# KiCad board Panel_R0.5.1_300x300_2layer_step1.kicad_pcb (continued)
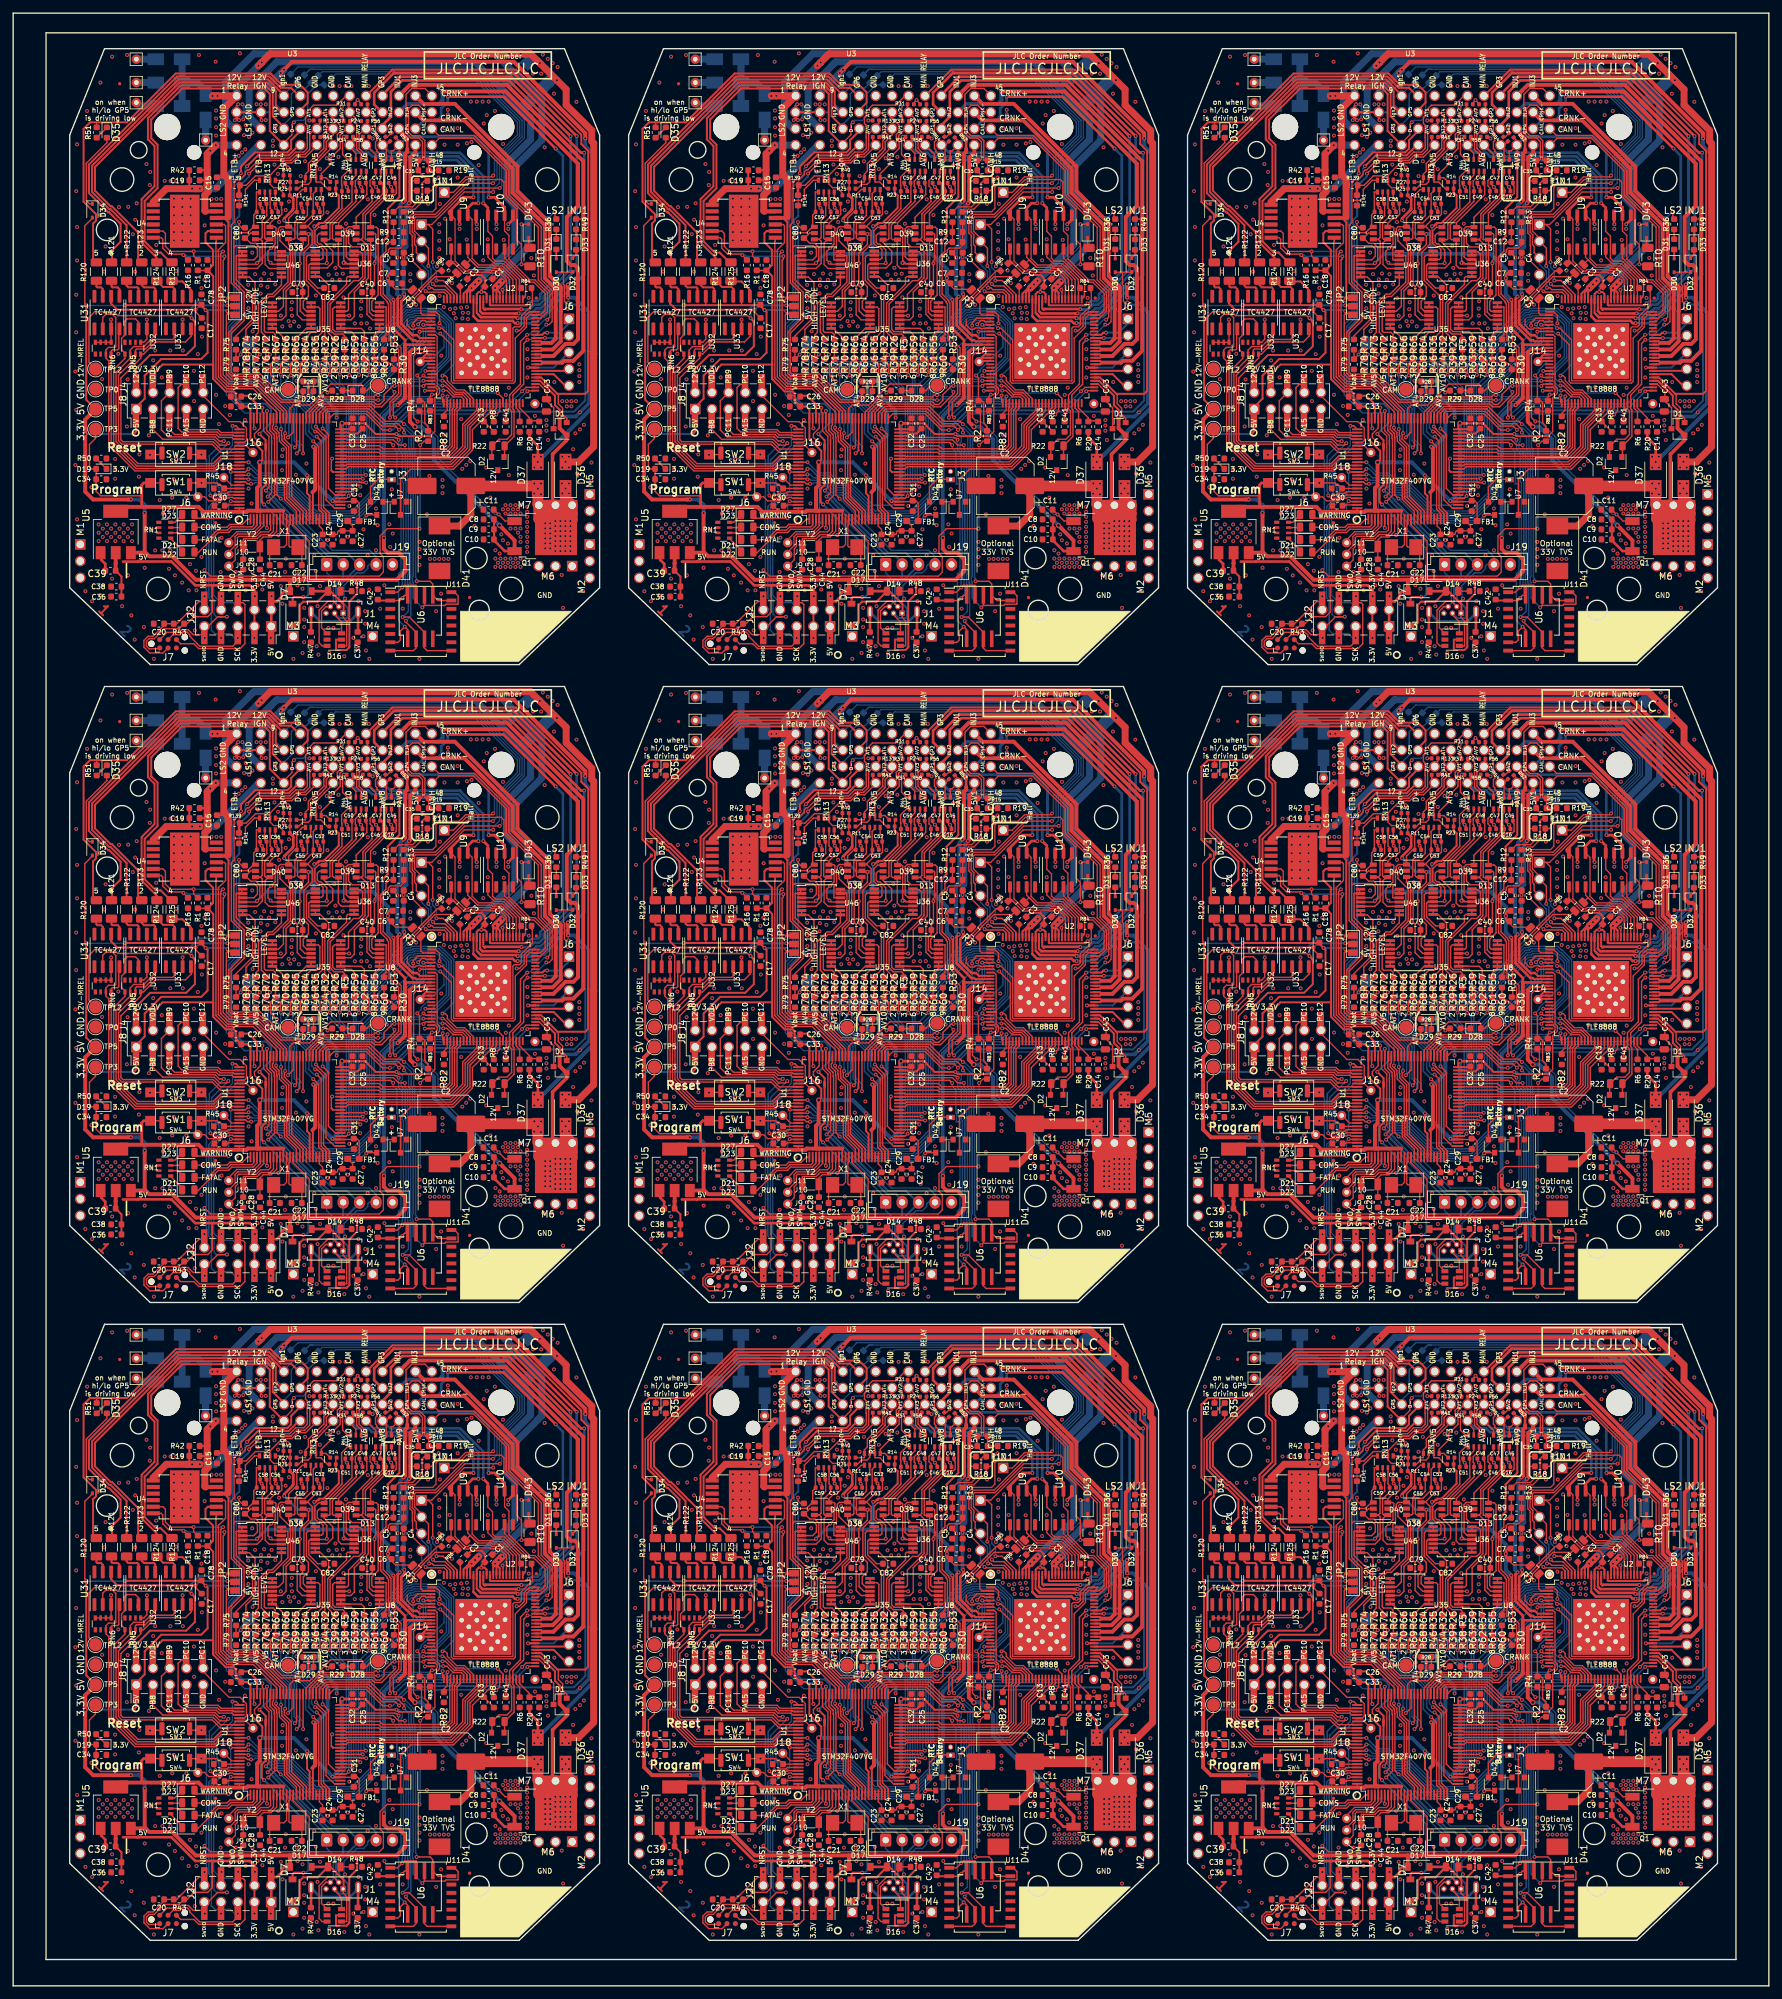
[diagram p0: board, top side]
## Routing (per net, layer and track width the routed paths; a pad name or vN(x,y) marks a point on that pad's centre or on a via; arc(x,y) is an arc through that point) (continued)
/PD14: length 599.9
  Top w0.203: v1(150.27,244.11) 150.48,244.11 152.24,242.35 153.49,242.35 154.5,241.34 U2#2.34 ; U2#3.34 239.5,241.34 238.49,242.35 237.24,242.35 235.48,244.11 v1(235.27,244.11) ; v1(235.27,147.11) 235.48,147.11 237.24,145.35 238.49,145.35 239.5,144.34 U2#5.34 ; v1(65.27,147.11) 65.48,147.11 67.24,145.35 68.49,145.35 69.5,144.34 U2#4.34 ; U2#6.34 154.5,144.34 153.49,145.35 152.24,145.35 150.48,147.11 v1(150.27,147.11) ; v1(65.27,50.11) 65.48,50.11 67.24,48.35 68.49,48.35 69.5,47.34 U2#7.34 ; v1(150.27,50.11) 150.48,50.11 152.24,48.35 153.49,48.35 154.5,47.34 U2#9.34 ; U2#8.34 239.5,47.34 238.49,48.35 237.24,48.35 235.48,50.11 v1(235.27,50.11) ; v1(65.27,244.11) 65.48,244.11 67.24,242.35 68.49,242.35 69.5,241.34 U2.34
  Top w0.216: v1(127.84,233.94) 128.09,234.18 U1#2.61 ; v1(212.84,233.94) 213.09,234.18 U1#3.61 ; U1#5.61 213.09,137.18 v1(212.84,136.94) ; v1(42.84,136.94) 43.09,137.18 U1#4.61 ; v1(127.84,136.94) 128.09,137.18 U1#6.61 ; v1(42.84,39.94) 43.09,40.18 U1#7.61 ; v1(127.84,39.94) 128.09,40.18 U1#9.61 ; U1#8.61 213.09,40.18 v1(212.84,39.94) ; v1(42.84,233.94) 43.09,234.18 U1.61
  Bottom w0.216: v1(150.27,244.11) 149.84,244.11 149.5,244.45 149.5,245.33 151.62,247.45 151.62,252.93 150.41,254.14 150.31,254.14 149.72,254.73 145.79,254.73 145.57,254.51 144.99,254.51 143.72,253.24 143.72,252.87 137.87,247.01 125.37,247.01 123.79,245.43 123.79,243.3 127.36,239.73 127.36,234.43 v1(127.84,233.94) ; v1(212.84,233.94) 212.36,234.43 212.36,239.73 208.79,243.3 208.79,245.43 210.37,247.01 222.87,247.01 228.72,252.87 228.72,253.24 229.99,254.51 230.57,254.51 230.79,254.73 234.72,254.73 235.31,254.14 235.41,254.14 236.62,252.93 236.62,247.45 234.5,245.33 234.5,244.45 234.84,244.11 v1(235.27,244.11) ; v1(235.27,147.11) 234.84,147.11 234.5,147.45 234.5,148.33 236.62,150.45 236.62,155.93 235.41,157.14 235.31,157.14 234.72,157.73 230.79,157.73 230.57,157.51 229.99,157.51 228.72,156.24 228.72,155.87 222.87,150.01 210.37,150.01 208.79,148.43 208.79,146.3 212.36,142.73 212.36,137.43 v1(212.84,136.94) ; v1(65.27,147.11) 64.84,147.11 64.5,147.45 64.5,148.33 66.62,150.45 66.62,155.93 65.41,157.14 65.31,157.14 64.72,157.73 60.79,157.73 60.57,157.51 59.99,157.51 58.72,156.24 58.72,155.87 52.87,150.01 40.37,150.01 38.79,148.43 38.79,146.3 42.36,142.73 42.36,137.43 v1(42.84,136.94) ; v1(127.84,136.94) 127.36,137.43 127.36,142.73 123.79,146.3 123.79,148.43 125.37,150.01 137.87,150.01 143.72,155.87 143.72,156.24 144.99,157.51 145.57,157.51 145.79,157.73 149.72,157.73 150.31,157.14 150.41,157.14 151.62,155.93 151.62,150.45 149.5,148.33 149.5,147.45 149.84,147.11 v1(150.27,147.11) ; v1(42.84,39.94) 42.36,40.43 42.36,45.73 38.79,49.3 38.79,51.43 40.37,53.01 52.87,53.01 58.72,58.87 58.72,59.24 59.99,60.51 60.57,60.51 60.79,60.73 64.72,60.73 65.31,60.14 65.41,60.14 66.62,58.93 66.62,53.45 64.5,51.33 64.5,50.45 64.84,50.11 v1(65.27,50.11) ; v1(127.84,39.94) 127.36,40.43 127.36,45.73 123.79,49.3 123.79,51.43 125.37,53.01 137.87,53.01 143.72,58.87 143.72,59.24 144.99,60.51 145.57,60.51 145.79,60.73 149.72,60.73 150.31,60.14 150.41,60.14 151.62,58.93 151.62,53.45 149.5,51.33 149.5,50.45 149.84,50.11 v1(150.27,50.11) ; v1(212.84,39.94) 212.36,40.43 212.36,45.73 208.79,49.3 208.79,51.43 210.37,53.01 222.87,53.01 228.72,58.87 228.72,59.24 229.99,60.51 230.57,60.51 230.79,60.73 234.72,60.73 235.31,60.14 235.41,60.14 236.62,58.93 236.62,53.45 234.5,51.33 234.5,50.45 234.84,50.11 v1(235.27,50.11) ; v1(42.84,233.94) 42.36,234.43 42.36,239.73 38.79,243.3 38.79,245.43 40.37,247.01 52.87,247.01 58.72,252.87 58.72,253.24 59.99,254.51 60.57,254.51 60.79,254.73 64.72,254.73 65.31,254.14 65.41,254.14 66.62,252.93 66.62,247.45 64.5,245.33 64.5,244.45 64.84,244.11 v1(65.27,244.11)
/PD15: length 579.9
  Top w0.203: v1(150.29,244.86) 150.72,244.86 151.02,244.56 151.02,244.11 152.43,242.7 153.63,242.7 155,241.34 U2#2.35 ; U2#3.35 240,241.34 238.63,242.7 237.43,242.7 236.02,244.11 236.02,244.56 235.72,244.86 v1(235.29,244.86) ; U2#5.35 240,144.34 238.63,145.71 237.43,145.71 236.02,147.11 236.02,147.56 235.72,147.86 v1(235.29,147.86) ; v1(65.29,147.86) 65.72,147.86 66.02,147.56 66.02,147.11 67.43,145.71 68.63,145.71 70,144.34 U2#4.35 ; U2#6.35 155,144.34 153.63,145.71 152.43,145.71 151.02,147.11 151.02,147.56 150.72,147.86 v1(150.29,147.86) ; U2#7.35 70,47.34 68.63,48.7 67.43,48.7 66.02,50.11 66.02,50.56 65.72,50.86 v1(65.29,50.86) ; U2#9.35 155,47.34 153.63,48.7 152.43,48.7 151.02,50.11 151.02,50.56 150.72,50.86 v1(150.29,50.86) ; U2#8.35 240,47.34 238.63,48.7 237.43,48.7 236.02,50.11 236.02,50.56 235.72,50.86 v1(235.29,50.86) ; v1(65.29,244.86) 65.72,244.86 66.02,244.56 66.02,244.11 67.43,242.7 68.63,242.7 70,241.34 U2.35
  Top w0.216: U1#2.62 127.59,236.28 v1(126.8,235.49) ; U1#3.62 212.59,236.28 v1(211.8,235.49) ; U1#5.62 212.59,139.28 v1(211.8,138.49) ; U1#4.62 42.59,139.28 v1(41.8,138.49) ; U1#6.62 127.59,139.28 v1(126.8,138.49) ; U1#7.62 42.59,42.28 v1(41.8,41.49) ; U1#9.62 127.59,42.28 v1(126.8,41.49) ; U1#8.62 212.59,42.28 v1(211.8,41.49) ; U1.62 42.59,236.28 v1(41.8,235.49)
  Bottom w0.216: v1(126.8,235.49) 126.93,235.62 126.93,239.64 123.38,243.19 123.38,245.54 125.22,247.38 137.72,247.38 143.36,253.02 143.36,253.4 144.83,254.87 145.41,254.87 145.64,255.1 149.9,255.1 150.5,254.51 150.57,254.51 151.99,253.08 151.99,246.56 v1(150.29,244.86) ; v1(235.29,244.86) 236.99,246.56 236.99,253.08 235.57,254.51 235.5,254.51 234.9,255.1 230.64,255.1 230.41,254.87 229.83,254.87 228.36,253.4 228.36,253.02 222.72,247.38 210.22,247.38 208.38,245.54 208.38,243.19 211.93,239.64 211.93,235.62 v1(211.8,235.49) ; v1(235.29,147.86) 236.99,149.56 236.99,156.08 235.57,157.51 235.5,157.51 234.9,158.1 230.64,158.1 230.41,157.87 229.83,157.87 228.36,156.4 228.36,156.02 222.72,150.38 210.22,150.38 208.38,148.54 208.38,146.19 211.93,142.64 211.93,138.62 v1(211.8,138.49) ; v1(41.8,138.49) 41.93,138.62 41.93,142.64 38.38,146.19 38.38,148.54 40.22,150.38 52.72,150.38 58.36,156.02 58.36,156.4 59.83,157.87 60.41,157.87 60.64,158.1 64.9,158.1 65.5,157.51 65.57,157.51 66.99,156.08 66.99,149.56 v1(65.29,147.86) ; v1(150.29,147.86) 151.99,149.56 151.99,156.08 150.57,157.51 150.5,157.51 149.9,158.1 145.64,158.1 145.41,157.87 144.83,157.87 143.36,156.4 143.36,156.02 137.72,150.38 125.22,150.38 123.38,148.54 123.38,146.19 126.93,142.64 126.93,138.62 v1(126.8,138.49) ; v1(65.29,50.86) 66.99,52.56 66.99,59.08 65.57,60.51 65.5,60.51 64.9,61.1 60.64,61.1 60.41,60.87 59.83,60.87 58.36,59.4 58.36,59.02 52.72,53.38 40.22,53.38 38.38,51.54 38.38,49.19 41.93,45.64 41.93,41.62 v1(41.8,41.49) ; v1(150.29,50.86) 151.99,52.56 151.99,59.08 150.57,60.51 150.5,60.51 149.9,61.1 145.64,61.1 145.41,60.87 144.83,60.87 143.36,59.4 143.36,59.02 137.72,53.38 125.22,53.38 123.38,51.54 123.38,49.19 126.93,45.64 126.93,41.62 v1(126.8,41.49) ; v1(235.29,50.86) 236.99,52.56 236.99,59.08 235.57,60.51 235.5,60.51 234.9,61.1 230.64,61.1 230.41,60.87 229.83,60.87 228.36,59.4 228.36,59.02 222.72,53.38 210.22,53.38 208.38,51.54 208.38,49.19 211.93,45.64 211.93,41.62 v1(211.8,41.49) ; v1(41.8,235.49) 41.93,235.62 41.93,239.64 38.38,243.19 38.38,245.54 40.22,247.38 52.72,247.38 58.36,253.02 58.36,253.4 59.83,254.87 60.41,254.87 60.64,255.1 64.9,255.1 65.5,254.51 65.57,254.51 66.99,253.08 66.99,246.56 v1(65.29,244.86)
/PE1: length 85.3
  Top w0.216: v1(118.1,225.78) 118.17,225.72 U1#2.98 ; 112.56,223.7 113.06,223.2 v1(117.77,223.2) ; U1#3.98 203.17,225.72 v1(203.1,225.78) ; v1(202.77,223.2) 198.06,223.2 197.56,223.7 ; 197.56,126.7 198.06,126.2 v1(202.77,126.2) ; U1#5.98 203.17,128.72 v1(203.1,128.78) ; v1(33.1,128.78) 33.17,128.72 U1#4.98 ; 27.56,126.7 28.06,126.2 v1(32.77,126.2) ; U1#6.98 118.17,128.72 v1(118.1,128.78) ; v1(117.77,126.2) 113.06,126.2 112.56,126.7 ; v1(33.1,31.78) 33.17,31.72 U1#7.98 ; v1(32.77,29.2) 28.06,29.2 27.56,29.7 ; U1#9.98 118.17,31.72 v1(118.1,31.78) ; 112.56,29.7 113.06,29.2 v1(117.77,29.2) ; v1(202.77,29.2) 198.06,29.2 197.56,29.7 ; U1#8.98 203.17,31.72 v1(203.1,31.78) ; v1(33.1,225.78) 33.17,225.72 U1.98 ; v1(32.77,223.2) 28.06,223.2 27.56,223.7
  Bottom w0.216: v1(118.1,225.78) 117.77,225.44 v1(117.77,223.2) ; v1(203.1,225.78) 202.77,225.44 v1(202.77,223.2) ; v1(202.77,126.2) 202.77,128.44 v1(203.1,128.78) ; v1(33.1,128.78) 32.77,128.44 v1(32.77,126.2) ; v1(118.1,128.78) 117.77,128.44 v1(117.77,126.2) ; v1(33.1,31.78) 32.77,31.44 v1(32.77,29.2) ; v1(118.1,31.78) 117.77,31.44 v1(117.77,29.2) ; v1(202.77,29.2) 202.77,31.44 v1(203.1,31.78) ; v1(33.1,225.78) 32.77,225.44 v1(32.77,223.2)
/PE2: length 83
  Top w0.216: 112.4,221.88 112.46,221.81 117.51,221.81 117.96,222.26 119.86,222.26 120.65,223.04 U1#2.1 ; 197.4,221.88 197.46,221.81 202.51,221.81 202.96,222.26 204.86,222.26 205.65,223.04 U1#3.1 ; 197.4,124.88 197.46,124.81 202.51,124.81 202.96,125.26 204.86,125.26 205.65,126.04 U1#5.1 ; 27.4,124.88 27.46,124.81 32.51,124.81 32.96,125.26 34.86,125.26 35.65,126.04 U1#4.1 ; 112.4,124.88 112.46,124.81 117.51,124.81 117.96,125.26 119.86,125.26 120.65,126.04 U1#6.1 ; 27.4,27.88 27.46,27.81 32.51,27.81 32.96,28.26 34.86,28.26 35.65,29.04 U1#7.1 ; 112.4,27.88 112.46,27.81 117.51,27.81 117.96,28.26 119.86,28.26 120.65,29.04 U1#9.1 ; U1#8.1 205.65,29.04 204.86,28.26 202.96,28.26 202.51,27.81 197.46,27.81 197.4,27.88 ; U1.1 35.65,223.04 34.86,222.26 32.96,222.26 32.51,221.81 27.46,221.81 27.4,221.88
/PE3: length 97.9
  Top w0.216: 112.54,219.9 114.56,219.9 116.04,221.39 117.61,221.39 118.1,221.88 121.32,221.88 121.59,222.14 U1#2.2 ; 197.54,219.9 199.56,219.9 201.04,221.39 202.61,221.39 203.1,221.88 206.32,221.88 206.59,222.14 U1#3.2 ; U1#5.2 206.59,125.14 206.32,124.88 203.1,124.88 202.61,124.39 201.04,124.39 199.56,122.9 197.54,122.9 ; 27.54,122.9 29.56,122.9 31.04,124.39 32.61,124.39 33.1,124.88 36.32,124.88 36.59,125.14 U1#4.2 ; 112.54,122.9 114.56,122.9 116.04,124.39 117.61,124.39 118.1,124.88 121.32,124.88 121.59,125.14 U1#6.2 ; 27.54,25.9 29.56,25.9 31.04,27.39 32.61,27.39 33.1,27.88 36.32,27.88 36.59,28.14 U1#7.2 ; 112.54,25.9 114.56,25.9 116.04,27.39 117.61,27.39 118.1,27.88 121.32,27.88 121.59,28.14 U1#9.2 ; U1#8.2 206.59,28.14 206.32,27.88 203.1,27.88 202.61,27.39 201.04,27.39 199.56,25.9 197.54,25.9 ; 27.54,219.9 29.56,219.9 31.04,221.39 32.61,221.39 33.1,221.88 36.32,221.88 36.59,222.14 U1.2
/PE4: length 109.9
  Top w0.216: 112.52,217.95 113.13,217.95 116.2,221.02 117.76,221.02 118.25,221.51 121.48,221.51 122.09,222.12 U1#2.3 ; 197.52,217.95 198.13,217.95 201.2,221.02 202.76,221.02 203.25,221.51 206.48,221.51 207.09,222.12 U1#3.3 ; U1#5.3 207.09,125.12 206.48,124.51 203.25,124.51 202.76,124.02 201.2,124.02 198.13,120.95 197.52,120.95 ; 27.52,120.95 28.13,120.95 31.2,124.02 32.76,124.02 33.25,124.51 36.48,124.51 37.09,125.12 U1#4.3 ; 112.52,120.95 113.13,120.95 116.2,124.02 117.76,124.02 118.25,124.51 121.48,124.51 122.09,125.12 U1#6.3 ; U1#7.3 37.09,28.12 36.48,27.51 33.25,27.51 32.76,27.02 31.2,27.02 28.13,23.95 27.52,23.95 ; 112.52,23.95 113.13,23.95 116.2,27.02 117.76,27.02 118.25,27.51 121.48,27.51 122.09,28.12 U1#9.3 ; 197.52,23.95 198.13,23.95 201.2,27.02 202.76,27.02 203.25,27.51 206.48,27.51 207.09,28.12 U1#8.3 ; U1.3 37.09,222.12 36.48,221.51 33.25,221.51 32.76,221.02 31.2,221.02 28.13,217.95 27.52,217.95
/RST: length 970.5
  Top w0.203: 131.38,214.38 115.02,214.38 v1(114.1,215.3) ; 131.38,214.38 130.02,214.38 130.02,219.75 127.59,222.19 U1#2.14 ; 131.38,214.38 140.69,214.38 141.29,214.99 141.29,217.34 140.8,217.83 140.8,220.5 141.9,221.6 v1(146.8,221.6) ; R2#2.2 147.5,234.91 v1(146.9,234.31) ; 111.83,232.88 v1(113.63,232.88) ; U1#3.14 212.59,222.19 215.02,219.75 215.02,214.38 216.38,214.38 ; 216.38,214.38 200.02,214.38 v1(199.1,215.3) ; 216.38,214.38 225.69,214.38 226.29,214.99 226.29,217.34 225.8,217.83 225.8,220.5 226.9,221.6 v1(231.8,221.6) ; R2#3.2 232.5,234.91 v1(231.9,234.31) ; 196.83,232.88 v1(198.63,232.88) ; 46.38,117.38 30.02,117.38 v1(29.1,118.3) ; 46.38,117.38 45.02,117.38 45.02,122.75 42.59,125.19 U1#4.14 ; 46.38,117.38 55.69,117.38 56.29,117.99 56.29,120.34 55.8,120.83 55.8,123.5 56.9,124.6 v1(61.8,124.6) ; U1#6.14 127.59,125.19 130.02,122.75 130.02,117.38 131.38,117.38 ; 131.38,117.38 115.02,117.38 v1(114.1,118.3) ; 131.38,117.38 140.69,117.38 141.29,117.99 141.29,120.34 140.8,120.83 140.8,123.5 141.9,124.6 v1(146.8,124.6) ; R2#6.2 147.5,137.91 v1(146.9,137.31) ; 111.83,135.88 v1(113.63,135.88) ; R2#4.2 62.5,137.91 v1(61.9,137.31) ; 26.83,135.88 v1(28.63,135.88) ; v1(231.8,124.6) 226.9,124.6 225.8,123.5 225.8,120.83 226.29,120.34 226.29,117.99 225.69,117.38 216.38,117.38 ; U1#5.14 212.59,125.19 215.02,122.75 215.02,117.38 216.38,117.38 ; 216.38,117.38 200.02,117.38 v1(199.1,118.3) ; R2#5.2 232.5,137.91 v1(231.9,137.31) ; 196.83,135.88 v1(198.63,135.88) ; R2#9.2 147.5,40.91 v1(146.9,40.31) ; 131.38,20.38 140.69,20.38 141.29,20.99 141.29,23.34 140.8,23.83 140.8,26.5 141.9,27.6 v1(146.8,27.6) ; 131.38,20.38 130.02,20.38 130.02,25.75 127.59,28.19 U1#9.14 ; 131.38,20.38 115.02,20.38 v1(114.1,21.3) ; 111.83,38.88 v1(113.63,38.88) ; 26.83,38.88 v1(28.63,38.88) ; R2#7.2 62.5,40.91 v1(61.9,40.31) ; 46.38,20.38 55.69,20.38 56.29,20.99 56.29,23.34 55.8,23.83 55.8,26.5 56.9,27.6 v1(61.8,27.6) ; 46.38,20.38 30.02,20.38 v1(29.1,21.3) ; 46.38,20.38 45.02,20.38 45.02,25.75 42.59,28.19 U1#7.14 ; U1#8.14 212.59,28.19 215.02,25.75 215.02,20.38 216.38,20.38 ; 216.38,20.38 200.02,20.38 v1(199.1,21.3) ; 216.38,20.38 225.69,20.38 226.29,20.99 226.29,23.34 225.8,23.83 225.8,26.5 226.9,27.6 v1(231.8,27.6) ; R2#8.2 232.5,40.91 v1(231.9,40.31) ; 196.83,38.88 v1(198.63,38.88) ; 46.38,214.38 55.69,214.38 56.29,214.99 56.29,217.34 55.8,217.83 55.8,220.5 56.9,221.6 v1(61.8,221.6) ; 46.38,214.38 30.02,214.38 v1(29.1,215.3) ; 46.38,214.38 45.02,214.38 45.02,219.75 42.59,222.19 U1.14 ; v1(61.9,234.31) 62.5,234.91 R2.2 ; 26.83,232.88 v1(28.63,232.88)
  Top w0.216: U1#2.14 127.59,222.19 ; 113.89,209.61 114.1,209.61 ; 108.25,206.94 108.2,206.89 ; 108.25,206.94 107.97,206.94 106.27,205.24 105.52,205.24 104.9,204.61 104.9,203.58 105.78,202.7 107.8,202.7 J7#2.3 ; 108.25,206.94 108.05,207.14 109.85,207.14 110.3,207.59 110.3,207.6 110.58,207.88 110.59,207.88 113.24,210.53 114.08,210.53 ; U1#3.14 212.59,222.19 ; 193.25,206.94 193.2,206.89 ; 193.25,206.94 192.97,206.94 191.27,205.24 190.52,205.24 189.9,204.61 189.9,203.58 190.78,202.7 192.8,202.7 J7#3.3 ; 193.25,206.94 193.05,207.14 194.85,207.14 195.3,207.59 195.3,207.6 195.58,207.88 195.59,207.88 198.24,210.53 199.08,210.53 ; 198.89,209.61 199.1,209.61 ; U1#4.14 42.59,125.19 ; U1#6.14 127.59,125.19 ; 108.25,109.94 108.2,109.89 ; 108.25,109.94 107.97,109.94 106.27,108.24 105.52,108.24 104.9,107.61 104.9,106.58 105.78,105.7 107.8,105.7 J7#6.3 ; 108.25,109.94 108.05,110.15 109.85,110.15 110.3,110.59 110.3,110.6 110.58,110.88 110.59,110.88 113.24,113.53 114.08,113.53 ; 113.89,112.61 114.1,112.61 ; 28.89,112.61 29.1,112.61 ; 23.25,109.94 23.2,109.89 ; 23.25,109.94 22.97,109.94 21.27,108.24 20.52,108.24 19.9,107.61 19.9,106.58 20.78,105.7 22.8,105.7 J7#4.3 ; 23.25,109.94 23.05,110.15 24.85,110.15 25.3,110.59 25.3,110.6 25.58,110.88 25.59,110.88 28.24,113.53 29.08,113.53 ; U1#5.14 212.59,125.19 ; 193.25,109.94 193.2,109.89 ; 193.25,109.94 192.97,109.94 191.27,108.24 190.52,108.24 189.9,107.61 189.9,106.58 190.78,105.7 192.8,105.7 J7#5.3 ; 193.25,109.94 193.05,110.15 194.85,110.15 195.3,110.59 195.3,110.6 195.58,110.88 195.59,110.88 198.24,113.53 199.08,113.53 ; 198.89,112.61 199.1,112.61 ; 108.25,12.94 107.97,12.94 106.27,11.24 105.52,11.24 104.9,10.61 104.9,9.58 105.78,8.7 107.8,8.7 J7#9.3 ; 108.25,12.94 108.2,12.89 ; 108.25,12.94 108.05,13.14 109.85,13.14 110.3,13.59 110.3,13.6 110.58,13.88 110.59,13.88 113.24,16.53 114.08,16.53 ; 113.89,15.61 114.1,15.61 ; J7#7.3 22.8,8.7 20.78,8.7 19.9,9.58 19.9,10.61 20.52,11.24 21.27,11.24 22.97,12.94 23.25,12.94 ; 23.25,12.94 23.2,12.89 ; 23.25,12.94 23.05,13.14 24.85,13.14 25.3,13.59 25.3,13.6 25.58,13.88 25.59,13.88 28.24,16.53 29.08,16.53 ; 28.89,15.61 29.1,15.61 ; U1#7.14 42.59,28.19 ; U1#8.14 212.59,28.19 ; 193.25,12.94 193.2,12.89 ; 193.25,12.94 193.05,13.14 194.85,13.14 195.3,13.59 195.3,13.6 195.58,13.88 195.59,13.88 198.24,16.53 199.08,16.53 ; 193.25,12.94 192.97,12.94 191.27,11.24 190.52,11.24 189.9,10.61 189.9,9.58 190.78,8.7 192.8,8.7 J7#8.3 ; 198.89,15.61 199.1,15.61 ; U1#9.14 127.59,28.19 ; U1.14 42.59,222.19 ; 29.08,210.53 28.24,210.53 25.59,207.88 25.58,207.88 25.3,207.6 25.3,207.59 24.85,207.14 23.05,207.14 23.25,206.94 ; 28.89,209.61 29.1,209.61 ; 23.25,206.94 22.97,206.94 21.27,205.24 20.52,205.24 19.9,204.61 19.9,203.58 20.78,202.7 22.8,202.7 J7.3 ; 23.25,206.94 23.2,206.89
  Bottom w0.203: v1(146.9,234.31) 146.9,221.7 v1(146.8,221.6) ; v1(231.8,221.6) 231.9,221.7 v1(231.9,234.31) ; v1(146.8,124.6) 146.9,124.7 v1(146.9,137.31) ; v1(61.9,137.31) 61.9,124.7 v1(61.8,124.6) ; v1(231.9,137.31) 231.9,124.7 v1(231.8,124.6) ; v1(146.9,40.31) 146.9,27.7 v1(146.8,27.6) ; v1(61.9,40.31) 61.9,27.7 v1(61.8,27.6) ; v1(231.8,27.6) 231.9,27.7 v1(231.9,40.31) ; v1(61.9,234.31) 61.9,221.7 v1(61.8,221.6)
  Bottom w0.216: v1(113.63,232.88) 114.4,232.1 114.4,215.6 v1(114.1,215.3) 114.4,215 114.4,211.61 v1(114.1,211.31) ; v1(198.63,232.88) 199.4,232.1 199.4,215.6 v1(199.1,215.3) 199.4,215 199.4,211.61 v1(199.1,211.31) ; v1(113.63,135.88) 114.4,135.1 114.4,118.6 v1(114.1,118.3) 114.4,118 114.4,114.61 v1(114.1,114.31) ; v1(28.63,135.88) 29.4,135.1 29.4,118.6 v1(29.1,118.3) 29.4,118 29.4,114.61 v1(29.1,114.31) ; v1(198.63,135.88) 199.4,135.1 199.4,118.6 v1(199.1,118.3) 199.4,118 199.4,114.61 v1(199.1,114.31) ; v1(113.63,38.88) 114.4,38.1 114.4,21.6 v1(114.1,21.3) 114.4,21 114.4,17.61 v1(114.1,17.31) ; v1(28.63,38.88) 29.4,38.1 29.4,21.6 v1(29.1,21.3) 29.4,21 29.4,17.61 v1(29.1,17.31) ; v1(198.63,38.88) 199.4,38.1 199.4,21.6 v1(199.1,21.3) 199.4,21 199.4,17.61 v1(199.1,17.31) ; v1(28.63,232.88) 29.4,232.1 29.4,215.6 v1(29.1,215.3) 29.4,215 29.4,211.61 v1(29.1,211.31)
/SCK: length 888.6
  Top w0.216: v1(120.8,230.7) 120.32,230.22 U1#2.89 118.13,230.22 v1(118.09,230.26) ; U2#2.7 146.84,251.6 v1(146.81,251.57) ; J7#2.6 110.47,204.1 112.48,204.1 113.22,203.36 119.5,203.36 120.24,204.1 120.24,210.07 119.97,210.34 119.16,210.34 119.16,210.53 ; v1(205.8,230.7) 205.32,230.22 U1#3.89 203.13,230.22 v1(203.09,230.26) ; U2#3.7 231.84,251.6 v1(231.81,251.57) ; J7#3.6 195.47,204.1 197.48,204.1 198.22,203.36 204.5,203.36 205.24,204.1 205.24,210.07 204.97,210.34 204.16,210.34 204.16,210.53 ; v1(203.09,133.26) 203.13,133.22 U1#5.89 205.32,133.22 v1(205.8,133.7) ; U2#5.7 231.84,154.6 v1(231.81,154.57) ; J7#5.6 195.47,107.1 197.48,107.1 198.22,106.36 204.5,106.36 205.24,107.1 205.24,113.07 204.97,113.34 204.16,113.34 204.16,113.53 ; v1(120.8,133.7) 120.32,133.22 U1#6.89 118.13,133.22 v1(118.09,133.26) ; U2#6.7 146.84,154.6 v1(146.81,154.57) ; J7#6.6 110.47,107.1 112.48,107.1 113.22,106.36 119.5,106.36 120.24,107.1 120.24,113.07 119.97,113.34 119.16,113.34 119.16,113.53 ; v1(35.8,133.7) 35.32,133.22 U1#4.89 33.13,133.22 v1(33.08,133.26) ; U2#4.7 61.84,154.6 v1(61.81,154.57) ; J7#4.6 25.47,107.1 27.48,107.1 28.22,106.36 34.5,106.36 35.24,107.1 35.24,113.07 34.97,113.34 34.16,113.34 34.16,113.53 ; v1(203.09,36.26) 203.13,36.22 U1#8.89 205.32,36.22 v1(205.8,36.7) ; J7#8.6 195.47,10.1 197.48,10.1 198.22,9.36 204.5,9.36 205.24,10.1 205.24,16.07 204.97,16.34 204.16,16.34 204.16,16.53 ; v1(231.81,57.57) 231.84,57.6 U2#8.7 ; v1(118.09,36.26) 118.13,36.22 U1#9.89 120.32,36.22 v1(120.8,36.7) ; U2#9.7 146.84,57.6 v1(146.81,57.57) ; J7#9.6 110.47,10.1 112.48,10.1 113.22,9.36 119.5,9.36 120.24,10.1 120.24,16.07 119.97,16.34 119.16,16.34 119.16,16.53 ; v1(35.8,36.7) 35.32,36.22 U1#7.89 33.13,36.22 v1(33.08,36.26) ; U2#7.7 61.84,57.6 v1(61.81,57.57) ; J7#7.6 25.47,10.1 27.48,10.1 28.22,9.36 34.5,9.36 35.24,10.1 35.24,16.07 34.97,16.34 34.16,16.34 34.16,16.53 ; v1(33.08,230.26) 33.13,230.22 U1.89 35.32,230.22 v1(35.8,230.7) ; 34.16,210.53 34.16,210.34 34.97,210.34 35.24,210.07 35.24,204.1 34.5,203.36 28.22,203.36 27.48,204.1 25.47,204.1 J7.6 ; v1(61.81,251.57) 61.84,251.6 U2.7
  Bottom w0.216: 119.22,209.56 118.41,210.37 116.59,210.37 115.5,211.45 115.5,224.66 116.6,225.76 116.61,225.76 118.09,227.23 v1(118.09,230.26) ; v1(120.8,230.7) 121.22,230.7 122.22,229.7 124.01,229.7 125.51,228.2 126.66,228.2 130.94,223.92 136.65,223.92 139.71,226.98 139.71,230.24 139.16,230.79 139.16,242.63 146.81,250.27 v1(146.81,251.57) ; 204.22,209.56 203.41,210.37 201.59,210.37 200.5,211.45 200.5,224.66 201.6,225.76 201.61,225.76 203.09,227.23 v1(203.09,230.26) ; v1(231.81,251.57) 231.81,250.27 224.16,242.63 224.16,230.79 224.71,230.24 224.71,226.98 221.65,223.92 215.94,223.92 211.66,228.2 210.51,228.2 209.01,229.7 207.22,229.7 206.22,230.7 v1(205.8,230.7) ; 204.22,112.56 203.41,113.37 201.59,113.37 200.5,114.45 200.5,127.66 201.6,128.76 201.61,128.76 203.09,130.23 v1(203.09,133.26) ; v1(205.8,133.7) 206.22,133.7 207.22,132.7 209.01,132.7 210.51,131.2 211.66,131.2 215.94,126.92 221.65,126.92 224.71,129.98 224.71,133.24 224.16,133.79 224.16,145.63 231.81,153.27 v1(231.81,154.57) ; 119.22,112.56 118.41,113.37 116.59,113.37 115.5,114.45 115.5,127.66 116.6,128.76 116.61,128.76 118.09,130.23 v1(118.09,133.26) ; v1(146.81,154.57) 146.81,153.27 139.16,145.63 139.16,133.79 139.71,133.24 139.71,129.98 136.65,126.92 130.94,126.92 126.66,131.2 125.51,131.2 124.01,132.7 122.22,132.7 121.22,133.7 v1(120.8,133.7) ; 34.22,112.56 33.41,113.37 31.59,113.37 30.5,114.45 30.5,127.66 31.6,128.76 31.61,128.76 33.08,130.23 v1(33.08,133.26) ; v1(35.8,133.7) 36.22,133.7 37.22,132.7 39.01,132.7 40.51,131.2 41.66,131.2 45.94,126.92 51.65,126.92 54.71,129.98 54.71,133.24 54.16,133.79 54.16,145.63 61.81,153.27 v1(61.81,154.57) ; 204.22,15.56 203.41,16.37 201.59,16.37 200.5,17.45 200.5,30.66 201.6,31.76 201.61,31.76 203.09,33.23 v1(203.09,36.26) ; v1(231.81,57.57) 231.81,56.27 224.16,48.63 224.16,36.79 224.71,36.24 224.71,32.98 221.65,29.92 215.94,29.92 211.66,34.2 210.51,34.2 209.01,35.7 207.22,35.7 206.22,36.7 v1(205.8,36.7) ; v1(146.81,57.57) 146.81,56.27 139.16,48.63 139.16,36.79 139.71,36.24 139.71,32.98 136.65,29.92 130.94,29.92 126.66,34.2 125.51,34.2 124.01,35.7 122.22,35.7 121.22,36.7 v1(120.8,36.7) ; 119.22,15.56 118.41,16.37 116.59,16.37 115.5,17.45 115.5,30.66 116.6,31.76 116.61,31.76 118.09,33.23 v1(118.09,36.26) ; 34.22,15.56 33.41,16.37 31.59,16.37 30.5,17.45 30.5,30.66 31.6,31.76 31.61,31.76 33.08,33.23 v1(33.08,36.26) ; v1(61.81,57.57) 61.81,56.27 54.16,48.63 54.16,36.79 54.71,36.24 54.71,32.98 51.65,29.92 45.94,29.92 41.66,34.2 40.51,34.2 39.01,35.7 37.22,35.7 36.22,36.7 v1(35.8,36.7) ; 34.22,209.56 33.41,210.37 31.59,210.37 30.5,211.45 30.5,224.66 31.6,225.76 31.61,225.76 33.08,227.23 v1(33.08,230.26) ; v1(35.8,230.7) 36.22,230.7 37.22,229.7 39.01,229.7 40.51,228.2 41.66,228.2 45.94,223.92 51.65,223.92 54.71,226.98 54.71,230.24 54.16,230.79 54.16,242.63 61.81,250.27 v1(61.81,251.57)
  vias: v1(34.23,211.34) v1(34.23,114.34) v1(34.23,17.34) v1(119.23,211.34) v1(119.23,114.34) v1(119.23,17.34) v1(204.23,211.34) v1(204.23,114.34) v1(204.23,17.34)
/SI: length 502
  Top w0.216: U2#2.5 147.39,252.6 v1(147.37,252.61) ; v1(120.79,229.1) 120.67,229.22 U1#2.91 ; v1(205.79,229.1) 205.67,229.22 U1#3.91 ; U2#3.5 232.39,252.6 v1(232.37,252.61) ; U1#5.91 205.67,132.22 v1(205.79,132.1) ; U2#5.5 232.39,155.6 v1(232.37,155.61) ; v1(120.79,132.1) 120.67,132.22 U1#6.91 ; U2#6.5 147.39,155.6 v1(147.37,155.61) ; U2#4.5 62.39,155.6 v1(62.37,155.61) ; v1(35.79,132.1) 35.67,132.22 U1#4.91 ; U1#8.91 205.67,35.22 v1(205.79,35.1) ; U2#8.5 232.39,58.6 v1(232.37,58.61) ; v1(120.79,35.1) 120.67,35.22 U1#9.91 ; v1(147.37,58.61) 147.39,58.6 U2#9.5 ; v1(35.79,35.1) 35.67,35.22 U1#7.91 ; U2#7.5 62.39,58.6 v1(62.37,58.61) ; U2.5 62.39,252.6 v1(62.37,252.61) ; U1.91 35.67,229.22 v1(35.79,229.1)
  Bottom w0.216: v1(120.79,229.1) 121.21,229.1 121.34,228.97 123.7,228.97 125.2,227.47 126.36,227.47 130.64,223.19 136.96,223.19 140.45,226.68 140.45,230.55 139.9,231.1 139.9,242.32 147.75,250.17 147.75,252.24 v1(147.37,252.61) ; v1(232.37,252.61) 232.75,252.24 232.75,250.17 224.9,242.32 224.9,231.1 225.45,230.55 225.45,226.68 221.96,223.19 215.64,223.19 211.36,227.47 210.2,227.47 208.7,228.97 206.34,228.97 206.21,229.1 v1(205.79,229.1) ; v1(232.37,155.61) 232.75,155.24 232.75,153.17 224.9,145.32 224.9,134.1 225.45,133.55 225.45,129.68 221.96,126.19 215.64,126.19 211.36,130.47 210.2,130.47 208.7,131.97 206.34,131.97 206.21,132.1 v1(205.79,132.1) ; v1(147.37,155.61) 147.75,155.24 147.75,153.17 139.9,145.32 139.9,134.1 140.45,133.55 140.45,129.68 136.96,126.19 130.64,126.19 126.36,130.47 125.2,130.47 123.7,131.97 121.34,131.97 121.21,132.1 v1(120.79,132.1) ; v1(35.79,132.1) 36.21,132.1 36.34,131.97 38.7,131.97 40.2,130.47 41.36,130.47 45.64,126.19 51.96,126.19 55.45,129.68 55.45,133.55 54.9,134.1 54.9,145.32 62.75,153.17 62.75,155.24 v1(62.37,155.61) ; v1(205.79,35.1) 206.21,35.1 206.34,34.97 208.7,34.97 210.2,33.47 211.36,33.47 215.64,29.19 221.96,29.19 225.45,32.68 225.45,36.55 224.9,37.1 224.9,48.32 232.75,56.17 232.75,58.24 v1(232.37,58.61) ; v1(147.37,58.61) 147.75,58.24 147.75,56.17 139.9,48.32 139.9,37.1 140.45,36.55 140.45,32.68 136.96,29.19 130.64,29.19 126.36,33.47 125.2,33.47 123.7,34.97 121.34,34.97 121.21,35.1 v1(120.79,35.1) ; v1(35.79,35.1) 36.21,35.1 36.34,34.97 38.7,34.97 40.2,33.47 41.36,33.47 45.64,29.19 51.96,29.19 55.45,32.68 55.45,36.55 54.9,37.1 54.9,48.32 62.75,56.17 62.75,58.24 v1(62.37,58.61) ; v1(35.79,229.1) 36.21,229.1 36.34,228.97 38.7,228.97 40.2,227.47 41.36,227.47 45.64,223.19 51.96,223.19 55.45,226.68 55.45,230.55 54.9,231.1 54.9,242.32 62.75,250.17 62.75,252.24 v1(62.37,252.61)
